# KiCad board transistor_clock.kicad_pcb (continued)
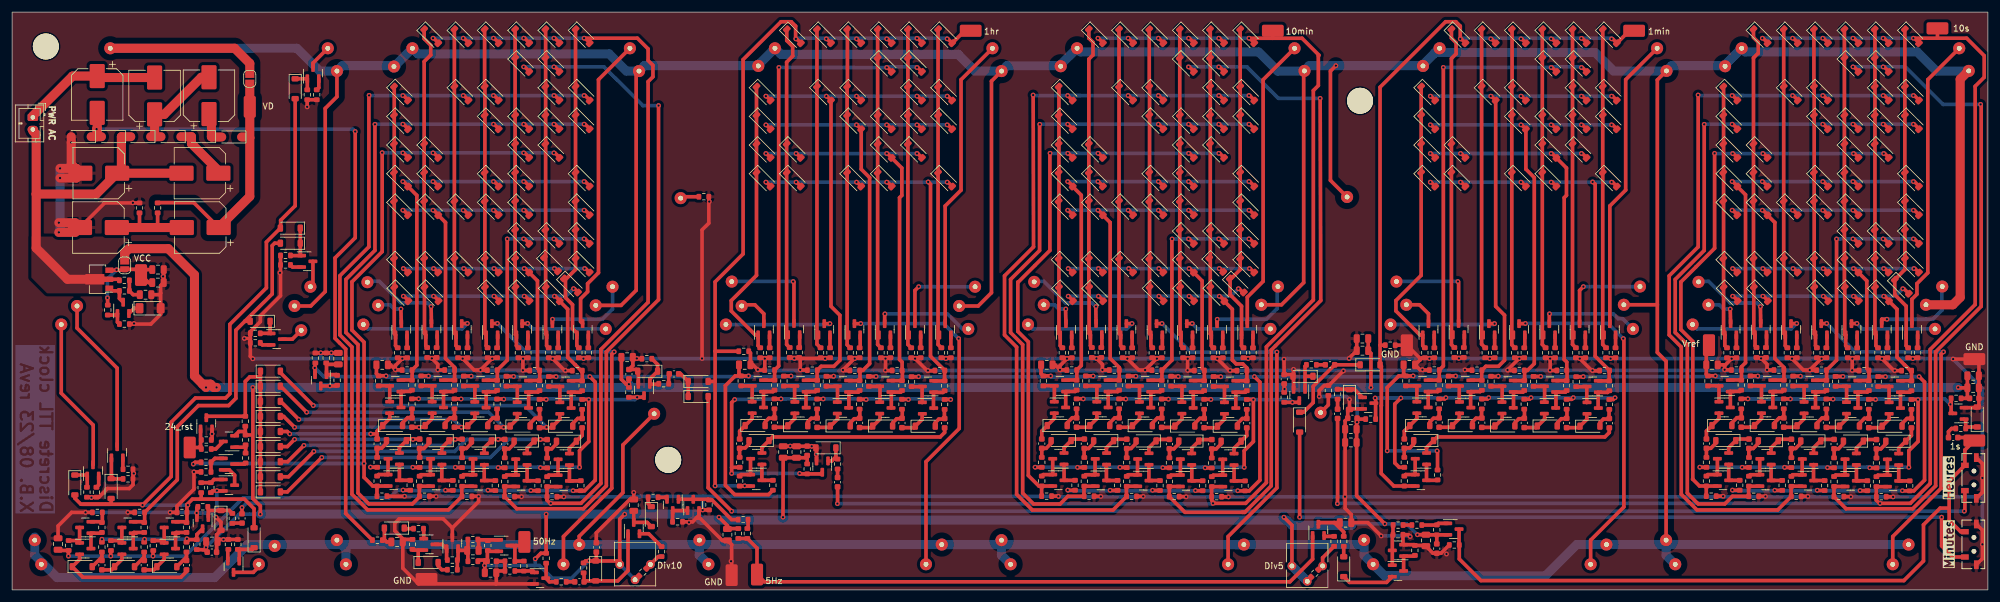
[diagram p0: board, top side]
## Placement (name value [footprint] x y rotation side) (continued)
Q28  MMBT3904  [SOT-23]  244.41 43.19 90 top
Q29  MMBT3904  [SOT-23]  249.41 43.19 90 top
Q30  MMBT5401  [SOT-23]  290.2 21.72 180 top
Q31  MMBT3904  [SOT-23]  290.2 18.14 0 top
Q32  MMBT3904  [SOT-23]  239.4 43.23 90 top
Q33  MMBT3904  [SOT-23]  259.42 43.19 90 top
Q34  MMBT5401  [SOT-23]  180.2 21.72 180 top
Q35  MMBT3904  [SOT-23]  180.2 18.14 0 top
Q36  MMBT3904  [SOT-23]  144.41 43.19 90 top
Q37  MMBT5401  [SOT-23]  187.22 21.69 180 top
Q38  MMBT3904  [SOT-23]  187.22 18.11 0 top
Q39  MMBT3904  [SOT-23]  154.42 43.19 90 top
Q40  MMBT5401  [SOT-23]  77.22 21.69 180 top
Q41  MMBT3904  [SOT-23]  77.22 18.11 0 top
Q42  MMBT3904  [SOT-23]  124.41 43.19 90 top
Q43  MMBT5401  [SOT-23]  84.29 21.67 180 top
Q44  MMBT3904  [SOT-23]  84.29 18.09 0 top
Q45  MMBT3904  [SOT-23]  134.09 20.44 270 top
Q46  MMBT3904  [SOT-23]  149.42 43.19 90 top
Q47  MMBT5401  [SOT-23]  283.16 21.74 180 top
Q48  MMBT3904  [SOT-23]  283.16 18.16 0 top
Q49  MMBT3904  [SOT-23]  194.41 43.19 90 top
Q50  MMBT5401  [SOT-23]  283.42 30.23 0 top
Q51  MMBT3904  [SOT-23]  283.42 33.81 180 top
Q52  MMBT5401  [SOT-23]  173.43 30.23 0 top
Q53  MMBT3904  [SOT-23]  173.43 33.81 180 top
Q54  MMBT3904  [SOT-23]  129.4 43.23 90 top
Q55  MMBT5401  [SOT-23]  173.16 21.74 180 top
Q56  MMBT3904  [SOT-23]  173.16 18.16 0 top
Q57  MMBT3904  [SOT-23]  174.41 43.19 90 top
Q58  MMBT3904  [SOT-23]  189.41 43.19 90 top
Q59  MMBT3904  [SOT-23]  213.04 32.31 270 top
Q60  MMBT5401  [SOT-23]  201.3 21.64 180 top
Q61  MMBT3904  [SOT-23]  201.3 18.06 0 top
Q62  MMBT3904  [SOT-23]  184.41 43.19 90 top
Q63  MMBT3904  [SOT-23]  179.4 43.23 90 top
Q64  MMBT5401  [SOT-23]  63.43 30.23 0 top
Q65  MMBT3904  [SOT-23]  74.41 43.19 90 top
Q66  MMBT3904  [SOT-23]  84.41 43.19 90 top
Q67  MMBT3904  [SOT-23]  63.43 33.81 180 top
Q68  MMBT5401  [SOT-23]  70.2 21.72 180 top
Q69  MMBT3904  [SOT-23]  70.2 18.14 0 top
Q70  MMBT5401  [SOT-23]  63.16 21.74 180 top
Q71  MMBT3904  [SOT-23]  79.41 43.19 90 top
Q72  MMBT5401  [SOT-23]  290.46 30.23 0 top
Q73  MMBT3904  [SOT-23]  290.46 33.81 180 top
Q74  MMBT5401  [SOT-23]  297.51 30.21 0 top
Q75  MMBT3904  [SOT-23]  297.51 33.79 180 top
Q76  MMBT3904  [SOT-23]  69.4 43.23 90 top
Q77  MMBT5401  [SOT-23]  187.51 30.21 0 top
Q78  MMBT3904  [SOT-23]  187.51 33.79 180 top
Q79  MMBT3904  [SOT-23]  94.42 43.19 90 top
Q80  MMBT3904  [SOT-23]  64.41 43.19 90 top
Q81  MMBT5401  [SOT-23]  180.46 30.23 0 top
Q82  MMBT3904  [SOT-23]  180.46 33.81 180 top
Q83  MMBT3904  [SOT-23]  63.16 18.16 0 top
Q84  MMBT3904  [SOT-23]  104.59 33.14 270 top
Q85  MMBT3904  [SOT-23]  89.42 43.19 90 top
Q86  MMBT5401  [SOT-23]  70.46 30.23 0 top
Q87  MMBT3904  [SOT-23]  70.46 33.81 180 top
Q88  MMBT5401  [SOT-23]  304.54 30.16 0 top
Q89  MMBT3904  [SOT-23]  304.54 33.74 180 top
Q90  MMBT5401  [SOT-23]  91.59 30.13 0 top
Q91  MMBT3904  [SOT-23]  91.59 33.71 180 top
Q92  MMBT5401  [SOT-23]  77.51 30.21 0 top
Q93  MMBT3904  [SOT-23]  13.39 19.8 90 top
Q94  MMBT3904  [SOT-23]  77.51 33.79 180 top
Q95  MMBT5401  [SOT-23]  84.54 30.16 0 top
Q96  MMBT3904  [SOT-23]  84.54 33.74 180 top
Q97  MMBT3904  [SOT-23]  32.14 27.6 90 top
Q98  MMBT5401  [SOT-23]  35.89 24.6 180 top
Q99  MMBT3904  [SOT-23]  35.89 20.85 0 top
Q100  MMBT3904  [SOT-23]  43.79 41.55 0 top
Q101  MMBT3904  [SOT-23]  36.65 3.85 270 top
Q102  MMBT5401  [SOT-23]  311.59 30.13 0 top
Q103  MMBT3904  [SOT-23]  311.59 33.71 180 top
Q104  MMBT3904  [SOT-23]  49.81 85.64 90 top
Q105  MMBT3904  [SOT-23]  17.39 22.8 90 top
Q106  MMBT3904  [SOT-23]  48.85 54.45 0 top
Q107  MMBT5401  [SOT-23]  201.59 30.13 0 top
Q108  MMBT3904  [SOT-23]  201.59 33.71 180 top
Q109  MMBT5401  [SOT-23]  194.54 30.16 0 top
Q110  MMBT3904  [SOT-23]  194.54 33.74 180 top
Q111  MMBT3904  [SOT-23]  35.89 17.35 0 top
Q112  MMBT5401  [SOT-23]  12.11 6.85 0 top
Q113  MMBT3904  [SOT-23]  12.11 10.35 180 top
Q114  MMBT5401  [SOT-23]  26.11 6.85 0 top
Q115  MMBT3904  [SOT-23]  87.39 1.95 0 top
Q116  MMBT5401  [SOT-23]  102.89 10.25 90 top
Q117  MMBT5401  [SOT-23]  109.34 14.09 270 top
Q118  MMBT3904  [SOT-23]  112.74 14.09 90 top
Q119  MMBT5401  [SOT-23]  216.19 9.95 90 top
Q120  MMBT5401  [SOT-23]  229.36 3.15 0 top
Q121  MMBT3904  [SOT-23]  229.36 6.55 180 top
Q122  MMBT5401  [SOT-23]  238.54 10.08 0 top
Q123  VN3205  [SOT-89-3]  14.14 51.48 180 top
Q124  MMBT3904  [SOT-23]  18.39 46.74 90 top
Q126  MMBT5401  [SOT-23]  72.86 7.75 90 top
Q127  MMBT3904  [SOT-23]  69.06 7.55 0 top
Q128  MMBT5401  [SOT-23]  81.46 7.35 0 top
Q131  MMBT5401  [SOT-23]  233.16 21.74 180 top
Q132  MMBT3904  [SOT-23]  233.16 18.16 0 top
Q133  MMBT5401  [SOT-23]  233.42 30.23 0 top
Q134  MMBT3904  [SOT-23]  233.42 33.81 180 top
Q135  MMBT5401  [SOT-23]  240.49 30.21 0 top
Q136  MMBT3904  [SOT-23]  240.49 33.79 180 top
Q137  MMBT5401  [SOT-23]  247.51 30.18 0 top
Q138  MMBT3904  [SOT-23]  247.51 33.76 180 top
Q139  MMBT5401  [SOT-23]  254.53 30.16 0 top
Q140  MMBT3904  [SOT-23]  254.53 33.74 180 top
Q141  MMBT5401  [SOT-23]  261.59 30.13 0 top
Q142  MMBT3904  [SOT-23]  261.59 33.71 180 top
Q143  MMBT5401  [SOT-23]  123.16 21.74 180 top
Q144  MMBT3904  [SOT-23]  123.16 18.16 0 top
Q145  MMBT5401  [SOT-23]  123.43 30.23 0 top
Q146  MMBT3904  [SOT-23]  123.43 33.81 180 top
Q147  MMBT5401  [SOT-23]  130.49 30.21 0 top
Q148  MMBT3904  [SOT-23]  130.49 33.79 180 top
Q149  MMBT5401  [SOT-23]  137.51 30.18 0 top
Q150  MMBT3904  [SOT-23]  137.51 33.76 180 top
Q151  MMBT5401  [SOT-23]  144.53 30.16 0 top
Q152  MMBT3904  [SOT-23]  144.53 33.74 180 top
Q153  MMBT5401  [SOT-23]  151.59 30.13 0 top
Q154  MMBT3904  [SOT-23]  151.59 33.71 180 top
Q155  MMBT3904  [SOT-23]  26.11 10.35 180 top
Q156  MMBT5401  [SOT-23]  19.11 6.85 0 top
Q157  MMBT3904  [SOT-23]  19.11 10.35 180 top
Q158  MMBT3904  [SOT-23]  31.53 11.07 270 top
R1  3k9  [R_0603_1608Metric]  53.79 34.74 90 top
R2  10k  [R_0603_1608Metric]  51.99 38.44 90 top
R3  10k  [R_0603_1608Metric]  50.19 38.44 90 top
R4  100k  [R_0603_1608Metric]  313.79 39.3 270 top
R5  10k  [R_0603_1608Metric]  315.36 39.3 270 top
R6  100k  [R_0603_1608Metric]  308.8 39.3 270 top
R7  10k  [R_0603_1608Metric]  310.37 39.3 270 top
R8  100k  [R_0603_1608Metric]  303.79 39.3 270 top
R9  10k  [R_0603_1608Metric]  305.36 39.3 270 top
R10  100k  [R_0603_1608Metric]  298.69 39.3 270 top
R11  10k  [R_0603_1608Metric]  300.26 39.3 270 top
R12  100k  [R_0603_1608Metric]  293.8 39.3 270 top
R13  10k  [R_0603_1608Metric]  295.37 39.3 270 top
R14  100k  [R_0603_1608Metric]  288.69 39.34 270 top
R15  10k  [R_0603_1608Metric]  290.26 39.34 270 top
R16  100k  [R_0603_1608Metric]  283.81 39.3 270 top
R17  10k  [R_0603_1608Metric]  285.38 39.3 270 top
R18  10k  [R_0603_1608Metric]  322.5 26.75 0 top
R19  2k2  [R_0603_1608Metric]  321.74 31.75 180 top
R20  2k2  [R_0603_1608Metric]  308.55 21.04 90 top
R21  10k  [R_0603_1608Metric]  308.55 17.94 270 top
R22  2k2  [R_0603_1608Metric]  309.35 15.44 0 top
R23  10k  [R_0603_1608Metric]  314.05 17.24 270 top
R24  2k2  [R_0603_1608Metric]  301.54 21.07 90 top
R25  10k  [R_0603_1608Metric]  301.54 17.97 270 top
R26  2k2  [R_0603_1608Metric]  302.34 15.47 0 top
R27  10k  [R_0603_1608Metric]  307.04 17.27 270 top
R28  2k2  [R_0603_1608Metric]  191.54 21.07 90 top
R29  10k  [R_0603_1608Metric]  191.54 17.97 270 top
R30  2k2  [R_0603_1608Metric]  192.34 15.47 0 top
R31  10k  [R_0603_1608Metric]  197.04 17.27 270 top
R32  2k2  [R_0603_1608Metric]  88.55 21.04 90 top
R33  10k  [R_0603_1608Metric]  88.55 17.94 270 top
R34  2k2  [R_0603_1608Metric]  89.35 15.44 0 top
R35  10k  [R_0603_1608Metric]  94.12 17.28 270 top
R36  2k2  [R_0603_1608Metric]  294.47 21.09 90 top
R37  10k  [R_0603_1608Metric]  294.47 17.99 270 top
R38  2k2  [R_0603_1608Metric]  295.27 15.49 0 top
R39  10k  [R_0603_1608Metric]  299.97 17.29 270 top
R40  100k  [R_0603_1608Metric]  253.79 39.3 270 top
R41  10k  [R_0603_1608Metric]  255.36 39.3 270 top
R42  100k  [R_0603_1608Metric]  138.69 39.3 270 top
R43  10k  [R_0603_1608Metric]  140.26 39.3 270 top
R44  100k  [R_0603_1608Metric]  233.81 39.3 270 top
R45  10k  [R_0603_1608Metric]  235.38 39.3 270 top
R46  100k  [R_0603_1608Metric]  133.8 39.3 270 top
R47  10k  [R_0603_1608Metric]  135.37 39.3 270 top
R48  100k  [R_0603_1608Metric]  263.79 39.3 270 top
R49  10k  [R_0603_1608Metric]  265.36 39.3 270 top
R50  100k  [R_0603_1608Metric]  203.79 39.3 270 top
R51  10k  [R_0603_1608Metric]  205.36 39.3 270 top
R52  10k  [R_0603_1608Metric]  219.37 32.43 90 top
R53  2k2  [R_0603_1608Metric]  224.84 28.3 0 top
R54  100k  [R_0603_1608Metric]  198.8 39.3 270 top
R55  10k  [R_0603_1608Metric]  200.37 39.3 270 top
R56  100k  [R_0603_1608Metric]  243.8 39.3 270 top
R57  10k  [R_0603_1608Metric]  245.37 39.3 270 top
R58  100k  [R_0603_1608Metric]  248.69 39.3 270 top
R59  10k  [R_0603_1608Metric]  250.26 39.3 270 top
R60  2k2  [R_0603_1608Metric]  287.45 21.12 90 top
R61  10k  [R_0603_1608Metric]  287.45 18.02 270 top
R62  2k2  [R_0603_1608Metric]  288.25 15.52 0 top
R63  10k  [R_0603_1608Metric]  292.95 17.32 270 top
R64  100k  [R_0603_1608Metric]  238.69 39.34 270 top
R65  10k  [R_0603_1608Metric]  240.26 39.34 270 top
R66  100k  [R_0603_1608Metric]  258.8 39.3 270 top
R67  10k  [R_0603_1608Metric]  260.37 39.3 270 top
R68  2k2  [R_0603_1608Metric]  177.45 21.12 90 top
R69  10k  [R_0603_1608Metric]  177.45 18.02 270 top
R70  2k2  [R_0603_1608Metric]  178.25 15.52 0 top
R71  10k  [R_0603_1608Metric]  182.95 17.32 270 top
R72  100k  [R_0603_1608Metric]  143.79 39.3 270 top
R73  10k  [R_0603_1608Metric]  145.36 39.3 270 top
R74  2k2  [R_0603_1608Metric]  184.47 21.09 90 top
R75  10k  [R_0603_1608Metric]  184.47 17.99 270 top
R76  2k2  [R_0603_1608Metric]  185.28 15.49 0 top
R77  10k  [R_0603_1608Metric]  189.97 17.29 270 top
R78  100k  [R_0603_1608Metric]  153.79 39.3 270 top
R79  10k  [R_0603_1608Metric]  155.36 39.3 270 top
R80  2k2  [R_0603_1608Metric]  74.47 21.09 90 top
R81  10k  [R_0603_1608Metric]  74.47 17.99 270 top
R82  2k2  [R_0603_1608Metric]  75.28 15.49 0 top
R83  10k  [R_0603_1608Metric]  79.97 17.29 270 top
R84  100k  [R_0603_1608Metric]  123.81 39.3 270 top
R85  10k  [R_0603_1608Metric]  125.38 39.3 270 top
R86  2k2  [R_0603_1608Metric]  81.54 21.07 90 top
R87  10k  [R_0603_1608Metric]  81.54 17.97 270 top
R88  2k2  [R_0603_1608Metric]  82.34 15.47 0 top
R89  10k  [R_0603_1608Metric]  87.04 17.27 270 top
R90  10k  [R_0603_1608Metric]  136.62 20.86 90 top
R91  2k2  [R_0603_1608Metric]  131.59 20.05 270 top
R92  100k  [R_0603_1608Metric]  148.8 39.3 270 top
R93  10k  [R_0603_1608Metric]  150.37 39.3 270 top
R94  2k2  [R_0603_1608Metric]  280.41 21.14 90 top
R95  10k  [R_0603_1608Metric]  280.41 18.04 270 top
R96  2k2  [R_0603_1608Metric]  281.21 15.54 0 top
R97  10k  [R_0603_1608Metric]  285.91 17.34 270 top
R98  100k  [R_0603_1608Metric]  193.79 39.3 270 top
R99  10k  [R_0603_1608Metric]  195.36 39.3 270 top
R100  2k2  [R_0603_1608Metric]  286.17 30.83 270 top
R101  10k  [R_0603_1608Metric]  286.17 33.93 90 top
R102  2k2  [R_0603_1608Metric]  285.38 36.43 180 top
R103  10k  [R_0603_1608Metric]  280.67 34.63 90 top
R104  2k2  [R_0603_1608Metric]  176.18 30.83 270 top
R105  10k  [R_0603_1608Metric]  176.18 33.93 90 top
R106  2k2  [R_0603_1608Metric]  175.38 36.43 180 top
R107  10k  [R_0603_1608Metric]  170.68 34.63 90 top
R108  100k  [R_0603_1608Metric]  128.69 39.34 270 top
R109  10k  [R_0603_1608Metric]  130.26 39.34 270 top
R110  2k2  [R_0603_1608Metric]  170.41 21.14 90 top
R111  10k  [R_0603_1608Metric]  170.41 18.04 270 top
R112  2k2  [R_0603_1608Metric]  171.21 15.54 0 top
R113  10k  [R_0603_1608Metric]  175.91 17.34 270 top
R114  100k  [R_0603_1608Metric]  173.81 39.3 270 top
R115  10k  [R_0603_1608Metric]  175.38 39.3 270 top
R116  100k  [R_0603_1608Metric]  188.69 39.3 270 top
R117  10k  [R_0603_1608Metric]  190.26 39.3 270 top
R118  10k  [R_0603_1608Metric]  215.04 37.3 180 top
R119  2k2  [R_0603_1608Metric]  210.54 31.92 270 top
R120  2k2  [R_0603_1608Metric]  198.55 21.04 90 top
R121  10k  [R_0603_1608Metric]  198.55 17.94 270 top
R122  2k2  [R_0603_1608Metric]  199.35 15.44 0 top
R123  10k  [R_0603_1608Metric]  204.05 17.24 270 top
R124  100k  [R_0603_1608Metric]  183.8 39.3 270 top
R125  10k  [R_0603_1608Metric]  185.37 39.3 270 top
R126  100k  [R_0603_1608Metric]  178.69 39.34 270 top
R127  10k  [R_0603_1608Metric]  180.26 39.34 270 top
R128  2k2  [R_0603_1608Metric]  66.18 30.83 270 top
R129  10k  [R_0603_1608Metric]  66.18 33.93 90 top
R130  100k  [R_0603_1608Metric]  73.8 39.3 270 top
R131  10k  [R_0603_1608Metric]  75.37 39.3 270 top
R132  100k  [R_0603_1608Metric]  83.79 39.3 270 top
R133  10k  [R_0603_1608Metric]  85.36 39.3 270 top
R134  2k2  [R_0603_1608Metric]  65.38 36.43 180 top
R135  10k  [R_0603_1608Metric]  60.68 34.63 90 top
R136  2k2  [R_0603_1608Metric]  67.45 21.12 90 top
R137  10k  [R_0603_1608Metric]  67.45 18.02 270 top
R138  2k2  [R_0603_1608Metric]  68.25 15.52 0 top
R139  10k  [R_0603_1608Metric]  72.95 17.32 270 top
R140  2k2  [R_0603_1608Metric]  60.41 21.14 90 top
R141  10k  [R_0603_1608Metric]  60.41 18.04 270 top
R142  100k  [R_0603_1608Metric]  78.69 39.3 270 top
R143  10k  [R_0603_1608Metric]  80.26 39.3 270 top
R144  2k2  [R_0603_1608Metric]  293.21 30.83 270 top
R145  10k  [R_0603_1608Metric]  293.21 33.93 90 top
R146  2k2  [R_0603_1608Metric]  292.41 36.43 180 top
R147  10k  [R_0603_1608Metric]  287.71 34.63 90 top
R148  2k2  [R_0603_1608Metric]  300.26 30.81 270 top
R149  10k  [R_0603_1608Metric]  300.26 33.91 90 top
R150  2k2  [R_0603_1608Metric]  299.46 36.41 180 top
R151  10k  [R_0603_1608Metric]  294.76 34.61 90 top
R152  100k  [R_0603_1608Metric]  68.69 39.34 270 top
R153  10k  [R_0603_1608Metric]  70.26 39.34 270 top
R154  2k2  [R_0603_1608Metric]  190.26 30.81 270 top
R155  10k  [R_0603_1608Metric]  190.26 33.91 90 top
R156  2k2  [R_0603_1608Metric]  189.46 36.41 180 top
R157  10k  [R_0603_1608Metric]  184.76 34.61 90 top
R158  100k  [R_0603_1608Metric]  93.79 39.3 270 top
R159  10k  [R_0603_1608Metric]  95.36 39.3 270 top
R160  100k  [R_0603_1608Metric]  63.81 39.3 270 top
R161  10k  [R_0603_1608Metric]  65.38 39.3 270 top
R162  2k2  [R_0603_1608Metric]  183.21 30.83 270 top
R163  10k  [R_0603_1608Metric]  183.21 33.93 90 top
R164  2k2  [R_0603_1608Metric]  182.41 36.43 180 top
R165  10k  [R_0603_1608Metric]  177.71 34.63 90 top
R166  2k2  [R_0603_1608Metric]  61.21 15.54 0 top
R167  10k  [R_0603_1608Metric]  65.89 17.34 270 top
R168  10k  [R_0603_1608Metric]  107.85 34.16 180 top
R169  2k2  [R_0603_1608Metric]  102.09 32.75 270 top
R170  100k  [R_0603_1608Metric]  88.8 39.3 270 top
R171  10k  [R_0603_1608Metric]  90.37 39.3 270 top
R172  2k2  [R_0603_1608Metric]  73.21 30.83 270 top
R173  10k  [R_0603_1608Metric]  73.21 33.93 90 top
R174  2k2  [R_0603_1608Metric]  72.41 36.43 180 top
R175  10k  [R_0603_1608Metric]  67.71 34.63 90 top
R176  2k2  [R_0603_1608Metric]  307.29 30.76 270 top
R177  10k  [R_0603_1608Metric]  307.29 33.86 90 top
R178  2k2  [R_0603_1608Metric]  306.49 36.36 180 top
R179  10k  [R_0603_1608Metric]  301.79 34.56 90 top
R180  2k2  [R_0603_1608Metric]  94.34 30.73 270 top
R181  10k  [R_0603_1608Metric]  94.34 33.83 90 top
R182  2k2  [R_0603_1608Metric]  93.54 36.33 180 top
R183  10k  [R_0603_1608Metric]  88.84 34.53 90 top
R184  2k2  [R_0603_1608Metric]  80.26 30.81 270 top
R185  10k  [R_0603_1608Metric]  80.26 33.91 90 top
R186  100k  [R_0603_1608Metric]  12.39 16.19 270 top
R187  10k  [R_0603_1608Metric]  13.96 16.19 270 top
R188  2k2  [R_0603_1608Metric]  79.46 36.41 180 top
R189  10k  [R_0603_1608Metric]  74.76 34.61 90 top
R190  2k2  [R_0603_1608Metric]  87.29 30.76 270 top
R191  10k  [R_0603_1608Metric]  87.29 33.86 90 top
R192  2k2  [R_0603_1608Metric]  86.49 36.36 180 top
R193  10k  [R_0603_1608Metric]  81.81 34.58 90 top
R194  10k  [R_0603_1608Metric]  105.05 38.31 0 top
R195  10k  [R_0603_1608Metric]  32.14 23.35 0 top
R196  10k  [R_0603_1608Metric]  32.14 24.85 180 top
R197  2k2  [R_0603_1608Metric]  38.59 27.95 90 top
R198  100k  [R_0603_1608Metric]  38.64 24.85 90 top
R199  10k  [R_0603_1608Metric]  38.64 21.85 90 top
R200  100k  [R_0603_1608Metric]  40.25 42.51 180 top
R201  10k  [R_0603_1608Metric]  40.25 40.94 180 top
R202  100k  [R_0603_1608Metric]  37.37 7.54 90 top
R203  10k  [R_0603_1608Metric]  35.79 7.54 90 top
R204  2k2  [R_0603_1608Metric]  314.34 30.73 270 top
R205  10k  [R_0603_1608Metric]  314.34 33.83 90 top
R206  2k2  [R_0603_1608Metric]  313.54 36.33 180 top
R207  10k  [R_0603_1608Metric]  308.84 34.53 90 top
R208  100k  [R_0603_1608Metric]  48.85 82.05 270 top
R209  10k  [R_0603_1608Metric]  50.42 82.05 270 top
R210  100k  [R_0603_1608Metric]  19.19 18.4 0 top
R211  10k  [R_0603_1608Metric]  19.19 20 0 top
R212  100k  [R_0603_1608Metric]  45.25 55.42 180 top
R213  10k  [R_0603_1608Metric]  45.25 53.85 180 top
R214  2k2  [R_0603_1608Metric]  204.34 30.73 270 top
R215  10k  [R_0603_1608Metric]  204.34 33.83 90 top
R216  2k2  [R_0603_1608Metric]  203.54 36.33 180 top
R217  10k  [R_0603_1608Metric]  198.84 34.53 90 top
R218  2k2  [R_0603_1608Metric]  197.29 30.76 270 top
R219  10k  [R_0603_1608Metric]  197.29 33.86 90 top
R220  2k2  [R_0603_1608Metric]  196.49 36.36 180 top
R221  10k  [R_0603_1608Metric]  191.81 34.58 90 top
R222  100k  [R_0603_1608Metric]  32.09 21.15 180 top
R223  100k  [R_0603_1608Metric]  31.29 16.95 270 top
R224  2k2  [R_0603_1608Metric]  14.86 7.1 270 top
R225  10k  [R_0603_1608Metric]  14.86 10.35 90 top
R226  2k2  [R_0603_1608Metric]  14.11 12.85 180 top
R227  10k  [R_0603_1608Metric]  9.36 7.36 270 top
R228  2k2  [R_0603_1608Metric]  28.86 7.1 270 top
R229  10k  [R_0603_1608Metric]  28.86 10.35 90 top
R230  100k  [R_0603_1608Metric]  84.69 3.95 270 top
R231  100k  [R_0603_1608Metric]  82.39 3.15 180 top
R232  10k  [R_0603_1608Metric]  88.39 5.25 270 top
R233  10k  [R_0603_1608Metric]  90.89 1.35 0 top
R234  4.7k  [R_0603_1608Metric]  94.59 3.65 90 top
R235  2k2  [R_0603_1608Metric]  107.49 6.35 270 top
R236  1k  [R_0603_1608Metric]  106.09 15.35 0 top
R237  10k  [R_0603_1608Metric]  229.39 10.75 180 top
R238  10k  [R_0603_1608Metric]  120.99 11.65 180 top
R239  100k  [R_0603_1608Metric]  110.14 11.29 0 top
R240  2k2  [R_0603_1608Metric]  120.19 9.35 270 top
R241  10k  [R_0603_1608Metric]  121.69 9.35 90 top
R242  100k  [R_0603_1608Metric]  115.34 14.09 270 top
R243  2k2  [R_0603_1608Metric]  218.79 8.05 270 top
R244  1k  [R_0603_1608Metric]  220.39 8.05 270 top
R245  2k2  [R_0603_1608Metric]  28.11 12.85 180 top
R246  10k  [R_0603_1608Metric]  23.36 7.35 270 top
R247  100k  [R_0603_1608Metric]  232.16 6.55 90 top
R248  2k2  [R_0603_1608Metric]  235.79 9.95 90 top
R249  10k  [R_0603_1608Metric]  232.49 10.75 180 top
R250  100k  [R_0603_1608Metric]  229.36 9.15 0 top
R251  10k  [R_0603_1608Metric]  238.69 7.45 180 top
R252  2k2  [R_0603_1608Metric]  18.59 51.3 0 top
R253  22k  [R_0603_1608Metric]  15.84 46.38 270 top
R254  10k  [R_0603_1608Metric]  18.59 44.05 0 top
R255  2k2  [R_0603_1608Metric]  18.59 49.55 0 top
R256  100k  [R_0603_1608Metric]  24.09 63.3 270 top
R257  100k  [R_0603_1608Metric]  60.46 8.25 0 top
R258  100k  [R_0603_1608Metric]  67.26 10.15 0 top
R259  100k  [R_0603_1608Metric]  72.86 4.95 0 top
R260  10k  [R_0603_1608Metric]  76.26 4.75 0 top
R261  1k  [R_0603_1608Metric]  72.86 3.35 0 top
R262  10k  [R_0603_1608Metric]  66.26 7.55 270 top
R263  100k  [R_0603_1608Metric]  76.26 8.35 0 top
R264  10k  [R_0603_1608Metric]  78.74 7.35 270 top
R265  10k  [R_0603_1608Metric]  82.39 4.75 0 top
R266  100k  [R_0603_1608Metric]  21.09 63.3 90 top
R267  DNP  [R_0603_1608Metric]  104.37 2.93 225 top
R269  DNP  [R_0603_1608Metric]  215.59 2.75 225 top
R272  2k2  [R_0603_1608Metric]  230.41 21.14 90 top
R273  10k  [R_0603_1608Metric]  230.41 18.04 270 top
R274  2k2  [R_0603_1608Metric]  228.09 40.55 0 top
R275  10k  [R_0603_1608Metric]  235.91 19.05 90 top
R276  2k2  [R_0603_1608Metric]  236.17 30.83 270 top
R277  10k  [R_0603_1608Metric]  236.17 33.93 90 top
R278  2k2  [R_0603_1608Metric]  235.38 36.43 180 top
R279  10k  [R_0603_1608Metric]  230.67 34.63 90 top
R280  2k2  [R_0603_1608Metric]  243.24 30.81 270 top
R281  10k  [R_0603_1608Metric]  243.24 33.91 90 top
R282  2k2  [R_0603_1608Metric]  242.44 36.41 180 top
R283  10k  [R_0603_1608Metric]  237.74 34.61 90 top
R284  2k2  [R_0603_1608Metric]  250.26 30.78 270 top
R285  10k  [R_0603_1608Metric]  250.26 33.88 90 top
R286  2k2  [R_0603_1608Metric]  249.46 36.38 180 top
R287  10k  [R_0603_1608Metric]  244.76 34.58 90 top
R288  2k2  [R_0603_1608Metric]  257.27 30.76 270 top
R289  10k  [R_0603_1608Metric]  257.27 33.86 90 top
R290  2k2  [R_0603_1608Metric]  256.47 36.36 180 top
R291  10k  [R_0603_1608Metric]  251.8 34.56 90 top
R292  2k2  [R_0603_1608Metric]  264.34 30.73 270 top
R293  10k  [R_0603_1608Metric]  264.34 33.83 90 top
R294  2k2  [R_0603_1608Metric]  263.55 36.35 180 top
R295  10k  [R_0603_1608Metric]  258.86 34.51 90 top
R296  2k2  [R_0603_1608Metric]  120.41 21.14 90 top
R297  10k  [R_0603_1608Metric]  120.41 18.04 270 top
R298  2k2  [R_0603_1608Metric]  121.09 39.55 0 top
R299  10k  [R_0603_1608Metric]  125.91 17.34 270 top
R300  2k2  [R_0603_1608Metric]  126.18 30.83 270 top
R301  10k  [R_0603_1608Metric]  126.18 33.93 90 top
R302  2k2  [R_0603_1608Metric]  125.38 36.43 180 top
R303  10k  [R_0603_1608Metric]  120.68 34.63 90 top
R304  2k2  [R_0603_1608Metric]  133.24 30.81 270 top
R305  10k  [R_0603_1608Metric]  133.24 33.91 90 top
R306  2k2  [R_0603_1608Metric]  132.44 36.41 180 top
R307  10k  [R_0603_1608Metric]  127.74 34.61 90 top
R308  2k2  [R_0603_1608Metric]  140.26 30.78 270 top
R309  10k  [R_0603_1608Metric]  140.26 33.88 90 top
R310  2k2  [R_0603_1608Metric]  139.46 36.38 180 top
R311  10k  [R_0603_1608Metric]  134.76 34.58 90 top
R312  2k2  [R_0603_1608Metric]  147.28 30.76 270 top
R313  10k  [R_0603_1608Metric]  147.28 33.86 90 top
R314  2k2  [R_0603_1608Metric]  146.47 36.36 180 top
R315  10k  [R_0603_1608Metric]  141.8 34.56 90 top
R316  2k2  [R_0603_1608Metric]  154.34 30.73 270 top
R317  10k  [R_0603_1608Metric]  154.34 33.83 90 top
R318  2k2  [R_0603_1608Metric]  153.55 36.35 180 top
R319  10k  [R_0603_1608Metric]  148.86 34.51 90 top
R320  10k  [R_0603_1608Metric]  114.49 65.15 0 top
R321  10k  [R_0603_1608Metric]  217.84 33.05 90 top
R323  2k2  [R_0603_1608Metric]  21.86 7.1 270 top
R324  10k  [R_0603_1608Metric]  21.86 10.35 90 top
R325  2k2  [R_0603_1608Metric]  21.11 12.85 180 top
R326  10k  [R_0603_1608Metric]  16.36 7.35 270 top
R327  10k  [R_0603_1608Metric]  36.45 11.85 90 top
R328  10k  [R_0603_1608Metric]  31.57 13.77 0 top
R329  2k2  [R_0603_1608Metric]  30.57 7.52 90 top
R330  100k  [R_0603_1608Metric]  32.89 16.95 270 top
R331  100k  [R_0603_1608Metric]  32.09 19.55 180 top
RV1  1k  [Potentiometer_Vishay_T73YP_Vertical]  100.56 4.23 270 top
RV2  1k  [Potentiometer_Vishay_T73YP_Vertical]  211.81 3.98 270 top
SW1  Heures  [TL3330]  324.59 18.55 90 top
SW2  Minutes  [TL3330]  324.59 7.55 90 top
TP1  GND  [RCSRCW_0C_testpoint_1206]  68.59 1.8 0 top
TP2  GND  [RCSRCW_0C_testpoint_1206]  324.75 38.25 180 top
TP3  GND  [RCSRCW_0C_testpoint_1206]  119.09 2.45 270 top
TP4  GND  [RCSRCW_0C_testpoint_1206]  230.84 40.55 270 top
TP5  VCC  [RCSRCW_0C_testpoint_1206]  21.34 52.18 270 top
TP6  VD  [RCSRCW_0C_testpoint_1206]  39.34 80.05 90 top
TP7  Vref  [RCSRCW_0C_testpoint_1206]  280.84 40.55 90 top
TP8  50Hz  [RCSRCW_0C_testpoint_1206]  84.79 7.95 90 top
TP9  5Hz  [RCSRCW_0C_testpoint_1206]  123.29 2.55 90 top
TP10  1s  [RCSRCW_0C_testpoint_1206]  324.75 24.75 0 top
TP11  10s  [RCSRCW_0C_testpoint_1206]  318.65 93.05 180 top
TP12  1min  [RCSRCW_0C_testpoint_1206]  268.45 92.65 0 top
TP13  10min  [RCSRCW_0C_testpoint_1206]  208.65 92.65 180 top
TP14  1hr  [RCSRCW_0C_testpoint_1206]  158.65 92.65 180 top
TP15  24_rst  [RCSRCW_0C_testpoint_1206]  29.39 23.6 90 top

## Library data of the parts
C1 C7 C22 C31 C39 C43 C57 = -: Description: Unpolarized capacitor; Assembly: True; LCSC_PN: C15850; Price: 0.0105
C2 C4 C13 C15 C17 C19 C27 C28 C36 C58 C60 C61 C67 C72 C76 C79 = -: Description: Polarized capacitor; Assembly: True; LCSC_PN: C15850; Price: 0.0105
C3 C8-C12 C14 C16 C18 C23-C26 C32-C35 C40 C44-C55 C62-C64 C85-C96 = -: Description: Unpolarized capacitor; LCSC_PN: C1588; Price: 0.0027
C5 C6 C20 C21 C29 C30 C37 C38 C41 C42 C56 C59 C68 C69 C73 C80 = -: Description: Unpolarized capacitor; LCSC_PN: C14663; Price: 0.0021
C65 C66 C74 C75 C81-C83 = -: Description: Polarized capacitor; Assembly: False
C70 C71 C78 = -: Description: Unpolarized capacitor
C77 = -: Description: Unpolarized capacitor; LCSC_PN: C57112; Price: 0.0022
D1-D7 D63 D64 D119-D122 D124-D126 D128 D129 D131 D133 D135 D138 D140 D143 D145 D146 D149 D199 D201 D251 D254 D257 D259 D260 D263 D268 D279 D280 D282-D284 D316 D317 = -: Description: Light emitting diode; Assembly: False; Price: 0.41
D8-D62 D65-D118 D123 D127 D130 D132 D134 D136 D137 D139 D141 D142 D144 D147 D148 D150-D198 D200 D202-D250 D252 D253 D255 D256 D258 D261 D262 D264-D267 D269-D278 D281 D285-D296 D298-D315 D318-D327 = -: Description: Diode; Assembly: True; LCSC_PN: C81598; Price: 0.0061; Sim.Device: D; Sim.Pins: 1=K 2=A
D297 = -: Description: Zener diode; Assembly: False
H2-H4 = -: Description: Mounting Hole without connection
J2 = -: Description: Generic connector, single row, 01x02, script generated (kicad-library-utils/schlib/autogen/connector/); Assembly: False
JP1 JP2 = -: Description: Jumper, 2-pole, open
Q1-Q9 Q11 Q13 Q15 Q17 Q19-Q29 Q31-Q33 Q35 Q36 Q38 Q39 Q41 Q42 Q44-Q46 Q48 Q49 Q51 Q53 Q54 Q56-Q59 Q61-Q63 Q65-Q67 Q69 Q71 Q73 Q75 Q76 Q78-Q80 Q82-Q85 Q87 Q89 Q91 Q93 Q94 Q96 Q97 Q99-Q101 Q103-Q106 Q108 Q110 Q111 Q113 Q115 Q118 Q121 Q124 Q127 Q132 Q134 Q136 Q138 Q140 Q142 Q144 Q146 Q148 Q150 Q152 Q154 Q155 Q157 Q158 = -: Description: 0.2A Ic, 40V Vce, Small Signal NPN Transistor, SOT-23; Assembly: True; LCSC_PN: C20526; Price: 0.0094
Q10 Q12 Q14 Q16 Q18 Q30 Q34 Q37 Q40 Q43 Q47 Q50 Q52 Q55 Q60 Q64 Q68 Q70 Q72 Q74 Q77 Q81 Q86 Q88 Q90 Q92 Q95 Q98 Q102 Q107 Q109 Q112 Q114 Q116 Q117 Q119 Q120 Q122 Q126 Q128 Q131 Q133 Q135 Q137 Q139 Q141 Q143 Q145 Q147 Q149 Q151 Q153 Q156 = -: Description: -0.2A Ic, -40V Vce, Small Signal PNP Transistor, SOT-23; Assembly: True; LCSC_PN: C8326; Price: 0.0137
Q123 = -: Description: N-MOSFET transistor, gate/drain/source
R1 R234 = -: Description: Resistor
R2 R3 R5 R7 R9 R11 R13 R15 R17 R18 R21 R23 R25 R27 R29 R31 R33 R35 R37 R39 R41 R43 R45 R47 R49 R51 R52 R55 R57 R59 R61 R63 R65 R67 R69 R71 R73 R75 R77 R79 R81 R83 R85 R87 R89 R90 R93 R95 R97 R99 R101 R103 R105 R107 R109 R111 R113 R115 R117 R118 R121 R123 R125 R127 R129 R131 R133 R135 R137 R139 R141 R143 R145 R147 R149 R151 R153 R155 R157 R159 R161 R163 R165 R167 R168 R171 R173 R175 R177 R179 R181 R183 R185 R187 R189 R191 R193-R196 R199 R201 R203 R205 R207 R209 R211 R213 R215 R217 R219 R221 R225 R227 R229 R232 R233 R237 R238 R241 R246 R249 R251 R254 R260 R262 R264 R265 R273 R275 R277 R279 R281 R283 R285 R287 R289 R291 R293 R295 R297 R299 R301 R303 R305 R307 R309 R311 R313 R315 R317 R319-R321 R324 R326-R328 = -: Description: Resistor; Assembly: True; LCSC_PN: C25804; Price: 0.0008
R4 R6 R8 R10 R12 R14 R16 R40 R42 R44 R46 R48 R50 R54 R56 R58 R64 R66 R72 R78 R84 R92 R98 R108 R114 R116 R124 R126 R130 R132 R142 R152 R158 R160 R170 R186 R198 R200 R202 R208 R210 R212 R222 R223 R230 R231 R239 R242 R247 R250 R256-R259 R263 R266 R330 R331 = -: Description: Resistor; Assembly: True; LCSC_PN: C25803; Price: 0.0009
